# Altium PCB radxa_cm3i_io_board_v1.4.PcbDoc (part 5 of 9)
Units mil, origin at the board's own origin, x right, y up, seen from the top; angles counter-clockwise.
Board outline 7886.22 x 5511.42 mil, 4 copper layers (Top, GND, Power, Bottom), stack 35.4 mil thick; 724 components, 544 nets, 2607 pads, 3449 vias.
Unrouted connection lines stored in the file: 2847.
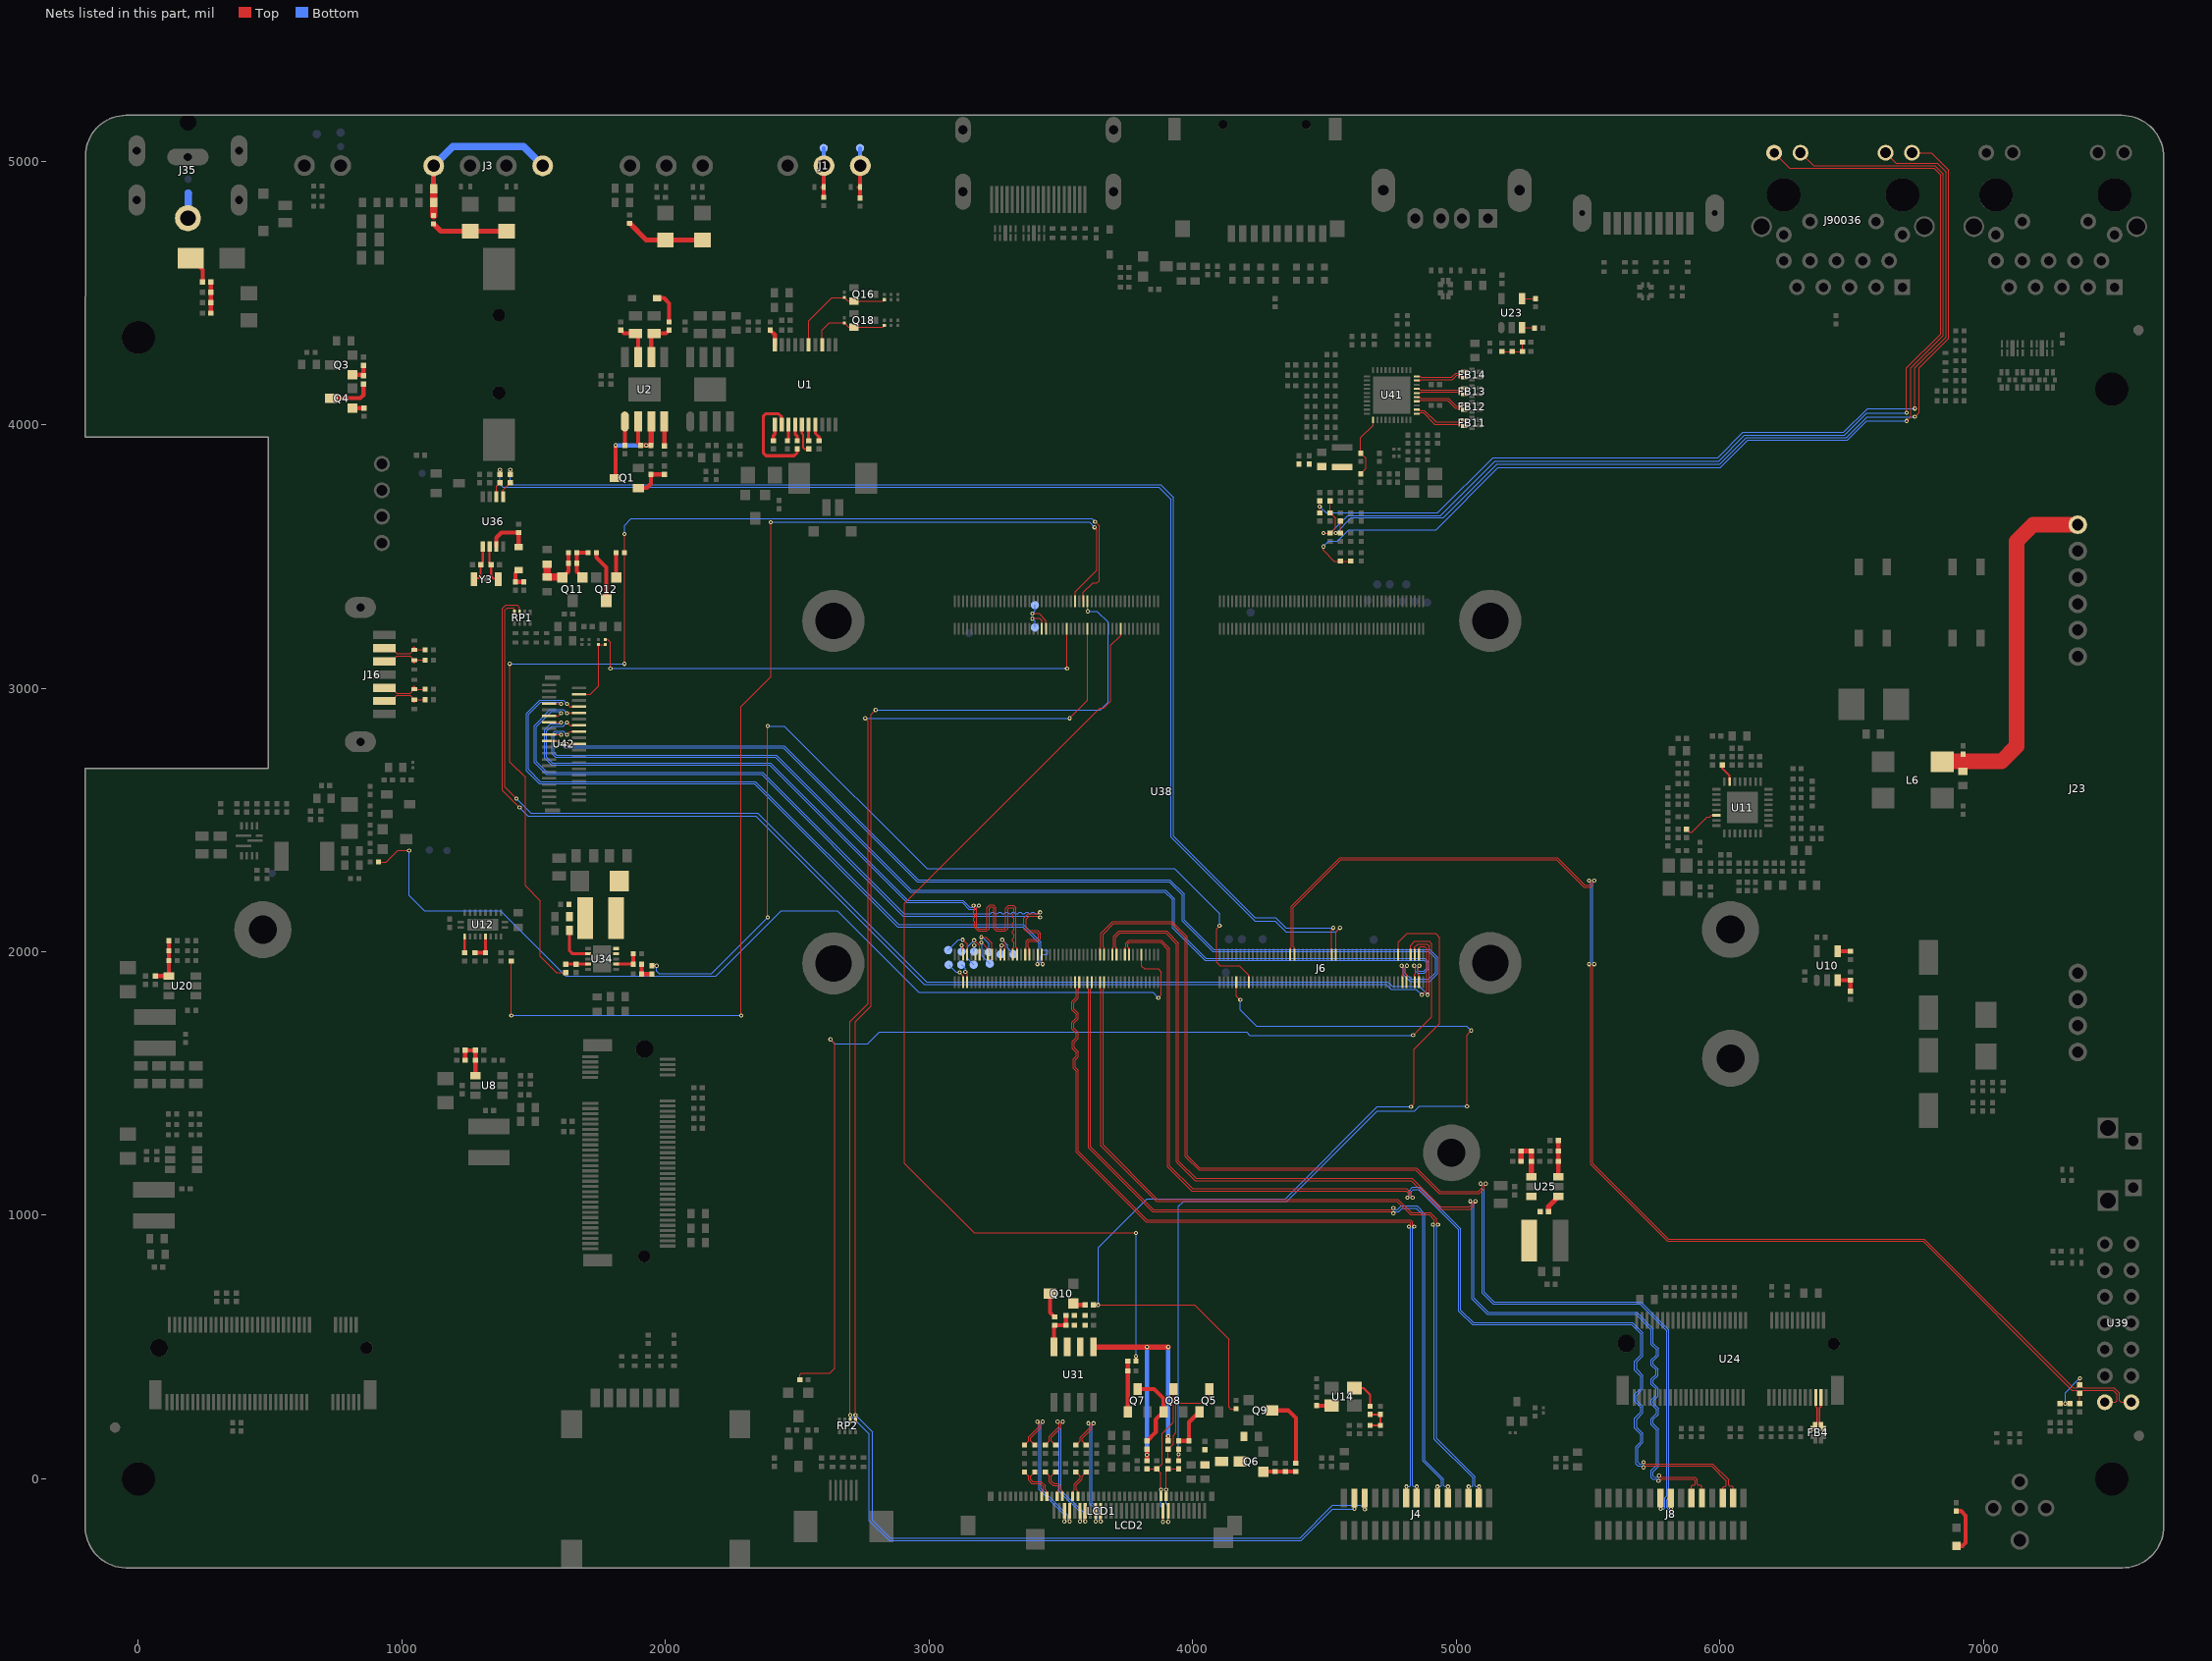
[diagram p7: the nets of this part, all layers, seen from the top]

## Via types
v1: diameter 15.75, hole 7.87, Top to Bottom, 3415 vias
v2: diameter 19.68, hole 11.81, Top to Bottom, 34 vias

## Nets (pads, with @x,y where several pads share a name; then routed paths per layer and width w, separated by ;. In a path a pad name is that pad's centre, name@x,y a point inside that pad or via, vN(x,y) a via of type N, cw(c..) or ccw(c..) an arc to the next point about the centre after c; other vN are vias at no path point) (continued)
I2C1_SCL: J6.44 R348.1 | length 4829.1
  Top w3.94: R348.1@1372.05,3811.02 v1(1372.05,3828.74) ; J6.44@4543.7,1988.58 4543.7,2075.2 v1(4559.06,2090.55)
  Bottom w3.94: v1(1372.05,3828.74) 1372.05,3773.62 1383.86,3761.81 3872.05,3761.81 3917.32,3716.54 3917.32,2435.04 4236.22,2116.14 4312.99,2116.14 4354.33,2074.8 4543.31,2074.8 v1(4559.06,2090.55)
I2C1_SDA: J6.46 R349.1 | length 4743.5
  Top w3.94: R349.1@1411.42,3811.02 v1(1411.42,3828.74) ; J6.46@4527.95,1988.58 4527.95,2085.04 v1(4533.46,2090.55)
  Bottom w3.94: v1(1411.42,3828.74) 1411.42,3783.46 1423.23,3771.65 3879.92,3771.65 3927.17,3724.41 3927.17,2438.98 4236.22,2129.92 4314.96,2129.92 4354.33,2090.55 v1(4533.46,2090.55)
I2C2_SCL: J6.6 RP1.5 | length 4832.4
  Top w3.94: RP1.5@1426.69,3288.22 1427.17,3288.69 1427.17,3301.18 1423.23,3305.12 1399.61,3305.12 1391.73,3297.24 1391.73,2624.02 v1(1435.04,2580.71) ; J6.6@4842.91,1988.58 4842.91,2017.72 4854.72,2029.53 4889.76,2029.53 4897.64,2021.65 4897.64,1842.52 v1(4891.73,1836.61)
  Bottom w3.94: v1(1435.04,2580.71) 1490.16,2525.59 2350.39,2525.59 2990.16,1885.83 4740.16,1885.83 4757.87,1868.11 4860.24,1868.11 v1(4891.73,1836.61)
I2C2_SDA: J6.4 RP1.6 | length 4833.9
  Top w3.94: RP1.6@1446.69,3288.22 1446.69,3305.12 1436.85,3314.96 1393.7,3314.96 1381.89,3303.15 1381.89,2612.2 v1(1446.85,2547.24) ; J6.4@4858.66,1988.58 4858.66,2014.17 4864.17,2019.69 4879.92,2019.69 4887.8,2011.81 4887.8,1854.33 v1(4870.08,1836.61)
  Bottom w3.94: v1(1446.85,2547.24) 1478.35,2515.75 2342.52,2515.75 2982.28,1875.98 4734.25,1875.98 4751.97,1858.27 4848.43,1858.27 v1(4870.08,1836.61)
I2C3_SCL_M1: P35.1 U38.56 | length 129.9
  Top w3.94: v1(3391.73,3283.46) 3416.34,3283.46 3443.9,3255.91 U38.56@3443.9,3225.2
  Bottom w3.94: v1(3391.73,3283.46) 3401.57,3293.31 P35.1@3401.57,3314.96
I2C3_SDA_M1: P36.1 U38.58 | length 110.5
  Top w3.94: v1(3391.73,3263.78) 3392.83,3262.68 3395.9,3265.75 3418.31,3265.75 3428.15,3255.91 U38.58@3428.15,3225.2
  Bottom w3.94: v1(3391.73,3263.78) 3401.57,3253.94 P36.1@3401.57,3230.31
I2C5_SCL_M0: J4.3 RP2.8 U38.35 | length 6481.3
  Top w3.94: RP2.8@2720.94,221.29 v1(2720.94,242.13) 2720.94,1734.72 2779.53,1793.31 2779.53,2899.61 v1(2797.24,2917.32) ; U38.35@3601.38,3329.92 3602.36,3328.94 v1(3602.36,3291.34) ; J4.3@4653.15,-72.83 4653.54,-73.23 v1(4653.54,-116.14)
  Bottom w3.94: v1(2720.94,242.13) 2785.43,177.64 2785.43,-157.48 2852.36,-224.41 4407.48,-224.41 4531.5,-100.39 4637.8,-100.39 v1(4653.54,-116.14) ; v1(2797.24,2917.32) 3649.61,2917.32 3679.13,2946.85 3679.13,3250 3637.8,3291.34 v1(3602.36,3291.34)
I2C5_SDA_M0: J4.2 RP2.7 U38.36 | length 6235.5
  Top w3.94: RP2.7@2700.94,221.29 v1(2700.94,242.13) 2700.94,1734.41 2769.69,1803.15 2769.69,2874.02 v1(2757.87,2885.83) ; v1(3533.46,2885.83) 3601.38,2953.74 U38.36@3601.38,3225.2 ; J4.2@4613.78,-72.83 4614.17,-73.23 v1(4614.17,-114.17)
  Bottom w3.94: v1(2700.94,242.13) 2773.62,169.45 2773.62,-159.45 2848.43,-234.25 4411.42,-234.25 4531.5,-114.17 v1(4614.17,-114.17) ; v1(2757.87,2885.83) v1(3533.46,2885.83)
I2S3_MCLK_M0: R155.2 U38.41 | length 4552.8
  Top w3.94: v1(1415.35,1757.87) R155.2@1415.35,1964.57 ; v1(2287.4,1757.87) 2287.4,2931.1 2399.61,3043.31 v1(2399.61,3629.92) ; U38.41@3554.13,3329.92 3554.13,3365.16 3637.8,3448.82 3637.8,3600.39 v1(3627.95,3610.24)
  Bottom w3.94: v1(1415.35,1757.87) v1(2287.4,1757.87) ; v1(2399.61,3629.92) 3608.27,3629.92 v1(3627.95,3610.24)
IN_VIN+: C22.2 J23.1 L6.2 R311.2 | length 1341.9
  Top w59.06: L6.2@6844.49,2720.47 6846.46,2722.44 7068.9,2722.44 7125.98,2779.53 7125.98,3557.09 7188.98,3620.08 J23.1@7358.27,3620.08
LCD-EN: C211.1 LCD1.32 LCD2.22 Q8.3 R303.1 | length 644.1
  Top w3.94: R303.1@3826.77,37.4 C211.1@3864.17,37.4 ; LCD1.32@3879.92,-66.93 v1(3879.92,-41.34) 3879.92,21.65 C211.1@3864.17,37.4 ; v1(3887.8,-163.39) LCD2.22@3887.8,-122.05 ; Q8.3@3927.17,340.55 3927.17,214.57 3883.86,171.26 3883.86,57.09 C211.1@3864.17,37.4
  Bottom w3.94: v1(3879.92,-41.34) 3879.92,-104.33 3887.8,-112.2 v1(3887.8,-163.39)
LCD-PWM: LCD1.33 LCD2.23 R290.2 R293.1 | length 313.6
  Top w3.94: LCD1.33@3899.61,-66.93 v1(3899.61,-41.34) 3899.61,27.56 3907.48,35.43 R293.1@3907.48,37.4 R290.2@3946.85,37.4 ; v1(3907.48,-163.39) LCD2.23@3907.48,-122.05
  Bottom w3.94: v1(3899.61,-41.34) 3899.61,-94.49 3907.48,-102.36 v1(3907.48,-163.39)
LCD_12V: C204.1 C206.1 Q6.3 R296.2 R298.1
LCD_I/O: C205.1 R291.2 R299.2 R300.1 R302.2 R303.2 R306.2 U31.1 U31.2 U31.3 | length 1093
  Top w15.75: R303.2@3826.77,68.9 v1(3826.77,90.55) R306.2@3826.77,112.2 ; R291.2@3907.48,143.7 v1(3907.48,161.42)
  Top w19.68: U31.1@3624.21,500.67 3624.21,500 v1(3826.77,500) v1(3907.48,500)
  Bottom w15.75: v1(3826.77,90.55) v1(3826.77,500) ; v1(3907.48,161.42) v1(3907.48,500)
LCD_RESET: R411.1 U38.46 | length 2006.8
  Top w3.94: R411.1@1771.65,3185.04 1780.68,3185.04 1791.34,3174.39 v1(1791.34,3074.8) ; U38.46@3522.64,3225.2 3523.62,3224.21 v1(3523.62,3074.8)
  Bottom w3.94: v1(1791.34,3074.8) v1(3523.62,3074.8)
LCD_RESET_1: R208.1 R411.2 U42.4 | length 273.2
  Top w3.94: U42.4@1671.26,2977.17 1670.27,2976.38 1714.57,2976.38 1746.06,3007.87 R208.1@1746.06,3165.35 R411.2@1771.65,3165.35
LCD_TP_PWR: J6.8 R345.2 | length 4157.7
  Top w3.94: R345.2@2509.84,375.98 2509.84,395.67 2515.75,401.57 2624.02,401.57 2641.73,419.29 2641.73,1651.57 v1(2625.98,1667.32) ; J6.8@4827.17,1988.58 4827.17,2023.62 4842.91,2039.37 4897.64,2039.37 4907.48,2029.53 4907.48,1753.94 v1(4836.61,1683.07)
  Bottom w3.94: v1(2625.98,1667.32) 2641.73,1651.57 2767.72,1651.57 2811.02,1694.88 4204.72,1694.88 4216.54,1683.07 v1(4836.61,1683.07)
M0_G_LED-: J90036.16 R390.1 R391.1 | length 3682.2
  Top w3.94: R391.1@4482.28,3665.35 v1(4482.28,3688.98) R390.1@4482.28,3710.63 ; J90036.16@6629.13,5031.5 6668.5,4992.13 6824.8,4992.13 6858.27,4958.66 6858.27,4332.68 6740.16,4214.57 v1(6740.16,4061.02)
  Bottom w3.94: v1(4482.28,3688.98) 4505.91,3665.35 4929.38,3665.35 5139.76,3874.02 5992.13,3874.02 6088.58,3970.47 6470.47,3970.47 6561.02,4061.02 v1(6740.16,4061.02)
M0_LED_G+: J90036.15 R384.1 R385.1 | length 3598.4
  Top w3.94: v1(4543.31,3588.58) R385.1@4561.02,3588.58 R384.1@4561.02,3633.86 ; J90036.15@6729.13,5031.5 6803.15,5031.5 6868.11,4966.54 6868.11,4326.77 6755.91,4214.57 6755.91,4045.28 v1(6740.16,4029.53)
  Bottom w3.94: v1(4543.31,3588.58) 4602.36,3647.64 4952.76,3647.64 5155.51,3850.39 6000,3850.39 6100.39,3950.79 6480.32,3950.79 6559.06,4029.53 v1(6740.16,4029.53)
M0_MDI0+: FB11.1 U41.1 | length 202.1
  Top w3.94: U41.1@4850.39,4041.34 4860.24,4041.34 4864.17,4045.28 4875.98,4045.28 4919.29,4001.97 5018.56,4001.97 5024.86,3995.67 FB11.1@5030.32,3995.67
M0_MDI0-: FB11.4 U41.2 | length 202.6
  Top w3.94: U41.2@4850.39,4057.09 4860.24,4057.09 4864.17,4053.15 4879.92,4053.15 4923.23,4009.84 5016.14,4009.84 5023.62,4017.32 FB11.4@5030.32,4017.32
M0_MDI1+: FB12.1 U41.4 | length 196.4
  Top w3.94: U41.4@4850.39,4088.58 4860.24,4088.58 4864.17,4092.52 4966.54,4092.52 4996.06,4062.99 5017.32,4062.99 5023.62,4056.69 FB12.1@5030.32,4056.69
M0_MDI1-: FB12.4 U41.5 | length 196.9
  Top w3.94: U41.5@4850.39,4104.33 4862.2,4104.33 4866.14,4100.39 4970.47,4100.39 5000,4070.87 5018.11,4070.87 5025.59,4078.35 FB12.4@5030.32,4078.35
M0_MDI2+: FB13.1 U41.6 | length 187.2
  Top w3.94: U41.6@4850.39,4120.08 4864.17,4120.08 4868.11,4124.02 5015.75,4124.02 5025.59,4114.17 5030.32,4114.17 FB13.1@5030.32,4115.75
M0_MDI2-: FB13.4 U41.7 | length 183.8
  Top w3.94: U41.7@4850.39,4135.83 4860.24,4135.83 4864.17,4131.89 5024.8,4131.89 FB13.4@5030.32,4137.4
M0_MDI3+: FB14.1 U41.9 | length 191.5
  Top w3.94: U41.9@4850.39,4167.32 4862.2,4167.32 4866.14,4171.26 4986.22,4171.26 5001.97,4187.01 5013.39,4187.01 5021.65,4178.74 FB14.1@5030.32,4178.74
M0_MDI3-: FB14.4 U41.10 | length 190.4
  Top w3.94: U41.10@4850.39,4183.07 4862.2,4183.07 4866.14,4179.13 4982.28,4179.13 4998.03,4194.88 5024.8,4194.88 FB14.4@5030.32,4200.39
M0_Y_LED+: J90036.17 R376.2 R377.1 | length 4115.6
  Top w3.94: v1(4496.06,3537.4) 4496.06,3523.62 4537.4,3482.28 R377.1@4561.02,3482.28 R376.2@4600.39,3482.28 ; J90036.17@6306.3,5031.5 6355.51,4982.28 6816.93,4982.28 6848.43,4950.79 6848.43,4338.58 6724.41,4214.57 6724.41,4029.53 v1(6708.66,4013.78)
  Bottom w3.94: v1(4496.06,3537.4) 4515.75,3557.09 4549.21,3557.09 4592.52,3600.39 4923.23,3600.39 5159.45,3836.61 6001.97,3836.61 6106.3,3940.94 6484.25,3940.94 6557.09,4013.78 v1(6708.66,4013.78)
M0_Y_LED-: J90036.18 R374.1 R375.1 R380.1 | length 4188.4
  Top w3.94: v1(4496.06,3588.58) R375.1@4521.65,3588.58 4541.34,3608.27 4541.34,3639.76 4541.34,3645.67 R380.1@4521.65,3665.35 R374.1@4521.65,3710.63 ; J90036.18@6206.3,5031.5 6265.35,4972.44 6812.99,4972.44 6838.58,4946.85 6838.58,4344.49 6708.66,4214.57 v1(6708.66,4045.28)
  Bottom w3.94: v1(4496.06,3588.58) 4521.65,3588.58 4588.58,3655.51 4940.94,3655.51 5147.64,3862.2 5996.06,3862.2 6094.49,3960.63 6474.41,3960.63 6557.09,4043.31 6706.69,4043.31 v1(6708.66,4045.28)
MCLK: C94.1 R170.1 R171.2 R172.1 | length 120.1
  Top w7.87: R170.1@4673.23,202.76 R172.1@4712.6,202.76 C94.1@4712.6,244.09 R171.2@4673.23,244.09
MIC1_INN: C86.2 J6.66 R40.2 U39.13 | length 5022.4
  Top w3.94: J6.66@4370.47,1988.58 4370.47,2014.17 4374.02,2017.72 4374.02,2171.26 4559.06,2356.3 5383.86,2356.3 5488.19,2251.97 5503.94,2251.97 5509.84,2257.87 5509.84,2263.78 v1(5503.94,2269.69) ; v1(5503.94,1952.76) 5509.84,1946.85 5509.84,1192.91 5801.18,901.57 6771.65,901.57 7336.61,336.61 7354.33,336.61 C86.2@7366.14,324.8 ; R40.2@7366.14,285.43 C86.2@7366.14,324.8 ; U39.13@7461.42,290.55 7501.97,290.55 7507.87,296.46 7507.87,320.87 7492.13,336.61 7377.95,336.61 C86.2@7366.14,324.8
  Bottom w3.94: v1(5503.94,1952.76) 5509.84,1958.66 5509.84,2263.78 v1(5503.94,2269.69)
MIC1_INP: C86.1 J6.64 R320.2 R322.1 U39.14 | length 5166.3
  Top w3.94: J6.64@4386.22,1988.58 4386.22,2015.35 4381.89,2019.69 4381.89,2168 4562.32,2348.43 5379.92,2348.43 5484.25,2244.09 5509.84,2244.09 5517.72,2251.97 5517.72,2263.78 v1(5523.62,2269.69) ; v1(5523.62,1952.76) 5517.72,1946.85 5517.72,1196.17 5804.44,909.45 6775.59,909.45 7340.55,344.49 7354.33,344.49 C86.1@7366.14,356.3 ; R320.2@7291.34,285.43 v1(7311.02,285.43) R322.1@7328.74,285.43 ; v1(7366.14,381.89) C86.1@7366.14,356.3 ; U39.14@7561.42,290.55 7522.44,290.55 7515.75,297.24 7515.75,324.8 7496.06,344.49 7377.95,344.49 C86.1@7366.14,356.3
  Bottom w3.94: v1(5523.62,1952.76) 5517.72,1958.66 5517.72,2263.78 v1(5523.62,2269.69) ; v1(7311.02,285.43) 7311.02,326.77 v1(7366.14,381.89)
MIPI_BL_EN_1: R328.1 R337.1 U38.37 | length 4384.5
  Top w3.94: v1(1409.45,3092.52) 1409.45,2720.47 1468.5,2661.42 1468.5,2250 1525.59,2192.91 1525.59,1982.28 1586.61,1921.26 R328.1@1622.05,1921.26 ; v1(1844.49,3092.52) R337.1@1844.49,3513.78 v1(1844.49,3584.65) ; U38.37@3585.63,3329.92 3585.63,3363.68 3621.56,3399.61 3637.8,3399.61 3645.67,3407.48 3645.67,3616.14 v1(3629.92,3631.89)
  Bottom w3.94: v1(1409.45,3092.52) v1(1844.49,3092.52) ; v1(1844.49,3584.65) 1844.49,3618.11 1870.08,3643.7 3618.11,3643.7 v1(3629.92,3631.89)
MIPI_BL_EN_2: R307.1 U38.20 | length 3850
  Top w3.94: U38.20@3727.36,3225.2 3727.36,3200.79 3689.4,3162.83 3689.4,2950.23 3662.89,2923.72 3648.13,2923.72 2907.48,2183.07 2907.48,1196.85 3171.26,933.07 v1(3785.43,933.07) ; R307.1@3785.43,446.85 v1(3785.43,464.57)
  Bottom w3.94: v1(3785.43,464.57) v1(3785.43,933.07)
MIPI_CSI_RX_CLK0N: J8.8 U38.127 | length 4393.8
  Top w3.94: U38.127@3664.37,1988.58 3664.37,2013.78 3660.43,2017.72 3660.43,2065.64 3700.21,2106.3 3919.29,2106.3 3972.44,2053.15 3972.44,1222.44 4023.62,1171.26 4846.46,1171.26 4935.04,1082.68 5088.58,1082.68 5106.3,1100.39 5106.3,1114.17 v1(5112.2,1120.08) ; J8.8@5814.17,-72.83 5814.96,-73.62 v1(5814.96,-114.17)
  Bottom w3.94: v1(5112.2,1120.08) 5106.3,1114.17 5106.3,707.99 5143.03,671.26 5700.79,671.26 5807.09,564.96 5807.09,-70.87 5799.21,-78.74 5799.21,-110.24 5803.15,-114.17 v1(5814.96,-114.17)
MIPI_CSI_RX_CLK0P: J8.7 U38.129 | length 4393.4
  Top w3.94: U38.129@3648.62,1988.58 3648.62,2013.78 3652.56,2017.72 3652.56,2068.9 3696.85,2114.17 3922.55,2114.17 3980.31,2056.41 3980.31,1225.7 4026.88,1179.13 4850.39,1179.13 4938.98,1090.55 5084.65,1090.55 5098.43,1104.33 5098.43,1114.17 v1(5092.52,1120.08) ; J8.7@5774.8,-72.83 5775.59,-73.62 v1(5775.59,-114.17)
  Bottom w3.94: v1(5092.52,1120.08) 5098.43,1114.17 5098.43,704.72 5139.76,663.39 5697.53,663.39 5799.21,561.7 5799.21,-64.96 5791.34,-72.83 5791.34,-110.24 5787.4,-114.17 v1(5775.59,-114.17)
MIPI_CSI_RX_CLK1N: J4.8 U38.140 | length 3137.8
  Top w3.94: U38.140@3569.88,1884.65 3569.88,1860.24 3565.94,1856.3 3565.94,1824.8 3549.21,1808.07 3549.21,1782.79 3565.94,1766.06 3565.94,1746.06 3549.21,1729.33 3549.21,1709.95 3565.94,1693.22 3565.94,1671.26 3551.18,1656.5 3551.18,1635.15 3565.94,1620.39 3565.94,1600.39 3555.12,1589.57 3555.12,1561.02 3565.94,1550.2 3565.94,1243.11 3826.77,982.28 4826.77,982.28 4834.65,974.41 4834.65,962.6 v1(4840.55,956.69) ; J4.8@4850,-72.83 4850,-29.92 v1(4850.39,-29.53)
  Bottom w3.94: v1(4840.55,956.69) 4834.65,950.79 4834.65,-25.59 4838.58,-29.53 v1(4850.39,-29.53)
MIPI_CSI_RX_CLK1P: J4.7 U38.142 | length 3137.8
  Top w3.94: U38.142@3554.13,1884.65 3554.13,1860.24 3558.07,1856.3 3558.07,1828.06 3541.34,1811.33 3541.34,1779.53 3558.07,1762.8 3558.07,1749.32 3541.34,1732.59 3541.34,1706.69 3558.07,1689.96 3558.07,1674.52 3543.31,1659.76 3543.31,1631.89 3558.07,1617.13 3558.07,1603.66 3547.24,1592.83 3547.24,1557.76 3558.07,1546.94 3558.07,1239.17 3822.83,974.41 4822.83,974.41 4826.77,970.47 4826.77,962.6 v1(4820.87,956.69) ; J4.7@4810.63,-72.83 4810.63,-29.92 v1(4811.02,-29.53)
  Bottom w3.94: v1(4811.02,-29.53) 4822.83,-29.53 4826.77,-25.59 4826.77,950.79 v1(4820.87,956.69)
MIPI_CSI_RX_D0N: J8.14 U38.115 | length 4353.8
  Top w3.94: U38.115@3758.86,1988.58 3758.86,2013.78 3754.92,2017.72 3754.92,2029.87 3760.49,2035.43 3878.63,2035.43 3905.51,2008.55 3905.51,1183.07 3996.06,1092.52 4809.73,1092.52 4820.87,1081.38 4820.87,1072.83 v1(4814.96,1066.93) ; v1(5710.63,62.99) 5716.54,57.09 5972.44,57.09 6033.46,-3.94 6033.46,-23.62 6037.4,-27.56 6046.46,-27.56 6050.39,-31.5 J8.14@6050.39,-72.83
  Bottom w3.94: v1(4814.96,1066.93) 4820.87,1072.83 4820.87,1092.52 4834.65,1106.3 4860.24,1106.3 5017.72,948.82 5017.72,639.76 5064.96,592.52 5669.29,592.52 5708.66,553.15 5708.66,466.54 5685.04,442.91 5685.04,415.35 5708.66,391.73 5708.66,340.55 5685.04,316.93 5685.04,297.24 5708.66,273.62 5708.66,250 5685.04,226.38 5685.04,194.88 5708.66,171.26 5708.66,137.8 5688.98,118.11 5688.98,62.99 5694.88,57.09 5704.72,57.09 v1(5710.63,62.99)
MIPI_CSI_RX_D0P: J8.13 U38.117 | length 4351.8
  Top w3.94: U38.117@3743.11,1988.58 3743.11,2013.78 3747.05,2017.72 3747.05,2033.13 3757.23,2043.31 3881.89,2043.31 3913.39,2011.81 3913.39,1789.37 3913.39,1690.95 3913.39,1647.64 3913.39,1430.43 3913.39,1385.83 3913.39,1186.33 3999.32,1100.39 4812.99,1100.39 4828.74,1084.65 4828.74,1072.83 v1(4834.65,1066.93) ; v1(5710.63,43.31) 5716.54,49.21 5968.5,49.21 6025.59,-7.87 6025.59,-24.8 6021.65,-28.74 6015.75,-28.74 6011.02,-33.46 J8.13@6011.02,-72.83
  Bottom w3.94: v1(4834.65,1066.93) 4828.74,1072.83 4828.74,1089.26 4837.91,1098.43 4856.3,1098.43 5009.84,944.88 5009.84,636.5 5061.7,584.65 5666.03,584.65 5700.79,549.89 5700.79,469.8 5677.17,446.17 5677.17,412.09 5700.79,388.47 5700.79,343.81 5677.17,320.19 5677.17,293.98 5700.79,270.36 5700.79,253.26 5677.17,229.64 5677.17,191.62 5700.79,168 5700.79,141.06 5681.1,121.37 5681.1,57.09 5688.98,49.21 5704.72,49.21 v1(5710.63,43.31)
MIPI_CSI_RX_D1N: J8.11 U38.121 | length 4371.5
  Top w3.94: U38.121@3711.61,1988.58 3711.61,2013.78 3707.68,2017.72 3707.68,2054.47 3724.07,2070.87 3897.64,2070.87 3938.98,2029.53 3938.98,1202.76 4009.84,1131.89 4828.74,1131.89 4937.01,1023.62 5055.12,1023.62 5066.93,1035.43 5066.93,1047.24 v1(5072.83,1053.15) ; v1(5769.69,11.81) 5775.59,5.91 5905.51,5.91 5915.35,-3.94 5915.35,-20.47 5919.29,-24.41 5927.17,-24.41 5932.28,-29.53 J8.11@5932.28,-72.83
  Bottom w3.94: v1(5072.83,1053.15) 5066.93,1047.24 5066.93,686.33 5121.37,631.89 5685.04,631.89 5748.03,568.9 5748.03,513.1 5767.72,493.42 5767.72,467.21 5748.03,447.53 5748.03,434.36 5765.75,416.65 5765.75,392.41 5748.03,374.69 5748.03,361.53 5765.75,343.81 5765.75,326.77 5765.75,312.99 5748.03,295.28 5748.03,286.73 5767.72,267.04 5767.72,244.77 5748.03,225.09 5748.03,208.66 5767.72,188.98 5767.72,47.24 5748.03,27.56 5748.03,9.84 5751.97,5.91 5763.78,5.91 v1(5769.69,11.81)
MIPI_CSI_RX_D1P: J8.10 U38.123 | length 4370.6
  Top w3.94: U38.123@3695.87,1988.58 3695.87,2013.78 3699.8,2017.72 3699.8,2057.73 3720.81,2078.74 3900.9,2078.74 3946.85,2032.79 3946.85,1206.02 4013.1,1139.76 4832.68,1139.76 4940.94,1031.5 5051.18,1031.5 5059.06,1039.37 5059.06,1047.24 v1(5053.15,1053.15) ; v1(5767.72,-7.87) 5773.62,-1.97 5901.57,-1.97 5907.48,-7.87 5907.48,-19.69 5903.54,-23.62 5896.85,-23.62 5892.91,-27.56 J8.10@5892.91,-72.83
  Bottom w3.94: v1(5053.15,1053.15) 5059.06,1047.24 5059.06,683.07 5118.11,624.02 5681.78,624.02 5740.16,565.64 5740.16,509.84 5759.84,490.16 5759.84,470.47 5740.16,450.79 5740.16,431.1 5757.87,413.39 5757.87,395.67 5740.16,377.95 5740.16,358.27 5757.87,340.55 5757.87,316.25 5740.16,298.54 5740.16,283.46 5759.84,263.78 5759.84,248.03 5740.16,228.35 5740.16,205.4 5759.84,185.72 5759.84,51.18 5740.16,31.5 5740.16,3.94 5746.06,-1.97 5761.81,-1.97 v1(5767.72,-7.87)
MIPI_CSI_RX_D2N: J4.14 U38.128 | length 3138.4
  Top w3.94: U38.128@3664.37,1884.65 3664.37,1860.24 3660.43,1856.3 3660.43,1266.73 3866.14,1061.02 4779.53,1061.02 4830.71,1009.84 4901.58,1009.84 4925.2,986.22 4925.2,970.47 v1(4931.1,964.57) ; J4.14@5086.22,-72.83 5086.22,-29.92 v1(5086.61,-29.53)
  Bottom w3.94: v1(4931.1,964.57) 4925.2,958.66 4925.2,153.54 5070.87,7.87 5070.87,-25.59 5074.8,-29.53 v1(5086.61,-29.53)
MIPI_CSI_RX_D2P: J4.13 U38.130 | length 3138.4
  Top w3.94: U38.130@3648.62,1884.65 3648.62,1860.24 3652.56,1856.3 3652.56,1263.47 3862.88,1053.15 4775.59,1053.15 4826.77,1001.97 4898.31,1001.97 4917.32,982.96 4917.32,970.47 v1(4911.42,964.57) ; J4.13@5046.85,-72.83 5046.85,-29.92 v1(5047.24,-29.53)
  Bottom w3.94: v1(4911.42,964.57) 4917.32,958.66 4917.32,153.54 4917.32,150.28 5062.99,4.61 5062.99,-25.59 5059.06,-29.53 v1(5047.24,-29.53)
MIPI_CSI_RX_D3N: J4.11 U38.134 | length 3138.3
  Top w3.94: U38.134@3617.13,1884.65 3617.13,1860.24 3613.19,1856.3 3613.19,1259.17 3850.7,1021.65 4755.91,1021.65 v1(4761.81,1027.56) ; J4.11@4968.11,-72.83 4968.11,-29.92 v1(4968.5,-29.53)
  Bottom w3.94: v1(4761.81,1027.56) 4767.72,1021.65 4777.56,1021.65 4791.34,1035.43 4851.69,1035.43 4881.89,1005.23 4881.89,978.35 4881.89,70.19 4952.76,-0.68 4952.76,-3.94 4952.76,-25.59 4956.69,-29.53 v1(4968.5,-29.53)